# Altium PCB 2013_FDP_PCB.PcbDoc (part 1 of 2) (continued)
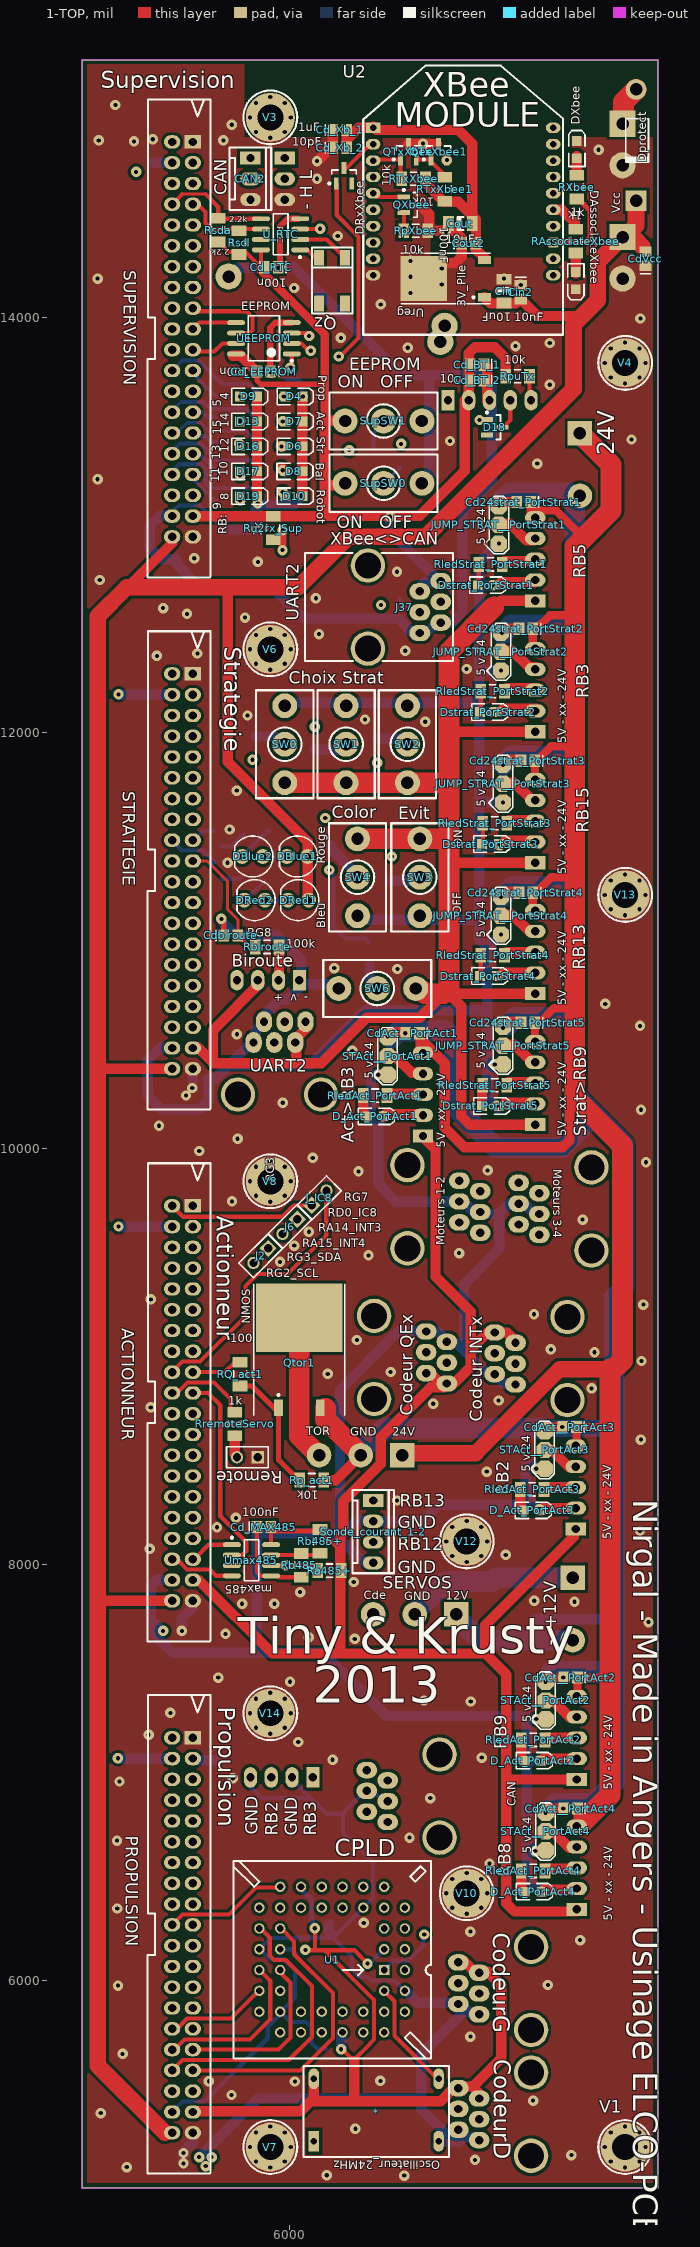
[diagram p0: 1-TOP view]
## Components (designator, comment, footprint, x,y, rotation, side; value= is the part's Value field where it differs from the comment) (continued)
SR1 "servo1" BORNIER3_FEM_COUDE 6800,7760 r180 bottom
St_GND "Goutte Strap_3" "Goutte Strap_3" 7180,7825 r270 bottom
STAct "Goutte Strap_3" "Goutte Strap_3" 5390,7680 r0 bottom
STAct__PortAct1 "Goutte Strap_3" "Goutte Strap_3" 6470,10355 r90 top (schematic designator STAct_)
STAct__PortAct2 "Goutte Strap_3" "Goutte Strap_3" 7230,7255 r90 top (schematic designator STAct_)
STAct__PortAct3 "Goutte Strap_3" "Goutte Strap_3" 7225,8460 r90 top (schematic designator STAct_)
STAct__PortAct4 "Goutte Strap_3" "Goutte Strap_3" 7230,6625 r90 top (schematic designator STAct_)
STProp "Goutte Strap_3" "Goutte Strap_3" 5575,5140 r180 bottom
STRATEGIE "STRATEGIE" HE10/40_MAL_DROIT-FDP-ROBOT 5433.07,12283.46 r270 top locked
STStrat "Goutte Strap_3" "Goutte Strap_3" 5610,10290 r180 bottom
STSup "Goutte Strap_3" "Goutte Strap_3" 5450,12840 r0 bottom
SUPERVISION "SUPERVISION" HE10/40_MAL_DROIT-FDP-ROBOT 5433.07,14842.52 r270 top locked
SupSW0 "25436NAH" "SW_UNIPOL_DROIT - APEM 523X B" 6450,13200 r270 top
SupSW1 "25436NAH" "SW_UNIPOL_DROIT - APEM 523X B" 6450,13500 r270 top
SW0 "25436NAH" "SW_UNIPOL_DROIT - APEM 523X B" 5975,11945 r0 top
SW1 "25436NAH" "SW_UNIPOL_DROIT - APEM 523X B" 6270,11945 r0 top
SW2 "25436NAH" "SW_UNIPOL_DROIT - APEM 523X B" 6565,11945 r0 top
SW3 "25436NAH" "SW_UNIPOL_DROIT - APEM 523X B" 6625,11305 r180 top
SW4 "25436NAH" "SW_UNIPOL_DROIT - APEM 523X B" 6325,11305 r180 top
SW6 "25436NAH" "SW_UNIPOL_DROIT - APEM 523X B" 6420,10770 r90 top
U1 "CPLD EPM7064SLC44-10" PLCC44_SUPPORT 6553.07,6448.15 r270 top
U2 "XBee" MODULE_XBEE 6400,14910 r0 top locked
U_RTC "DS1307" SO8_N 5955,14398.07 r180 top
UEEPROM "25AA1024-I/SM" SOIJ-SM8_N 5875,13898.07 r180 top
Umax485 "MAX485CSA" NSO8_N 5815,8019.41 r0 top
Ureg "1924880" 369A-13 6790,14185 r90 top
V1 "Pad_M3" M3x6mm 7612.6,5196.85 r0 top
V3 "Pad_M3" M3x6mm 5905.51,14960.63 r90 top locked
V4 "Pad_M3" M3x6mm 7612.6,13779.53 r0 top
V6 "Pad_M3" M3x6mm 5905.51,12401.57 r270 top locked
V7 "Pad_M3" M3x6mm 5905.51,5196.85 r0 top
V8 "Pad_M3" M3x6mm 5905.51,9842.52 r270 top locked
V10 "Pad_M3" M3x6mm 6850.39,6417.32 r0 top
V12 "Pad_M3" M3x6mm 6850.39,8110.24 r0 top
V13 "Pad_M3" M3x6mm 7612.6,11220.47 r0 top
V14 "Pad_M3" M3x6mm 5905.51,7283.46 r90 top locked

## Footprints (in the part's own frame and the unit in brackets; to place one, negate y for a bottom-side part, rotate by r counter-clockwise, add the part's x,y. Pads: shape width x height; smd on the part's side, far side on the other; paste and mask are expansions set on the pad)
369A-13 [mm] "D-PAK/TO-252-AA; 3 Leads (1 Cropped); Body 10.3 (inc. leads) x 6.7 mm (LxW max)"
  rect 1x1.6 smd: 1(-2.285,-3.7) 3(2.285,-3.7)
  rect 5.5x5.7 smd: 4(0,3.7)
  silkscreen extent -3.09,-4.4 3.09,6.45
BORNIER2 [mm] "Connector; Header; 2 Position; screw terminal blocks, Pin Spacing=5.08mm"
  rect 3.2x3.2 hole 1.524: 1(0,0)
  round 3.2 hole 1.524: 2(5.08,0)
  silkscreen extent -2.54,-3.81 7.62,3.81
BORNIER2_FEM_COUDE [mm] "Connector; Header; 2 Position; Right Angle; Female; Pin Spacing=5.08mm Green"
  rect 3x3 hole 1.524: 1(0,0)
  round 3 hole 1.524: 2(7.62,0)
  silkscreen extent -3.56,-10.03 11.18,2.03
BORNIER3_FEM_COUDE [mm] "Connector; Header; 3 Position; Right Angle; Female; Pin Spacing=5.08mm Green"
  rect 3x3 hole 1.524: 1(0,0)
  round 3 hole 1.524: 2(5.08,0) 3(10.16,0)
  silkscreen extent -3.56,-8.13 13.72,4.52
C0805_N [mm] "Chip Capacitor, Body 2.0x1.3mm, IPC Medium Density"
  rect 1.3x1.5 smd: 1(-0.85,0) 2(0.85,0)
  silkscreen extent -1.8,-0.65 -1.8,0.65, body extent -0.99,-0.63 1.01,0.63, height 0.8
C1206_N [mm] "Chip Capacitor, Body 3.2x1.6mm, IPC Medium Density"
  rect 1.3x1.8 smd: 1(-1.45,0) 2(1.45,0)
  silkscreen extent -0.4,-0.8 0.4,0.8, body extent -1.57,-0.81 1.63,0.79, height 1.02
D2PAK [mm] "D2-PAK/TO-263-AB; 3 Leads (1 Cropped); Body 15.5 (inc. leads) x 10.5 mm (LxW max)"
  rect 1.05x2 smd: 1(-2.54,-5.5) 3(2.54,-5.5)
  rect 10.55x8.4 smd: 2(0,5.5)
  silkscreen extent -5.58,-6.4 5.58,9.6
DIL14_OSCILLATEUR [mil]
  round 60 on Top Overlay: 0(-25,-66)
  rect 100x50 hole 32: 1(0,0)
  oval 100x50 hole 32: 7(0,-600) 8(300,-600) 14(300,0)
  silkscreen extent -76,-650 362,50
DIO10.46-5.3x2.8 [mil] "Diode, Axial; Body 5.2 x 2.7 mm (LxDia. max), Lead Dia. 0.86 mm (max)"
  round 100 hole 60: 1(-245,-5)
  rect 100x100 hole 60: 2(290,-5)
  silkscreen extent -104,-56 108,55
"Goutte Strap_3" [mm] "3 Pads CMS Goutte Strap"
  oct 2x2 smd: 1(0,0) 2(2.286,0) 3(4.572,0)
  silkscreen extent -1.22,-1.19 5.77,1.75
HDR1X2 [mm]
  rect 1.5x1.5 hole 1.016: 1(0,0)
  round 1.5 hole 1.016: 2(2.54,0)
  silkscreen extent -1.27,-1.27 3.81,1.27, body extent -2.24,-3.51 4.78,3.51, height 10.1
HE10/40_MAL_DROIT-FDP-ROBOT [mm] "Connector; HE10; 40 Position; Male; Right Angle; Pin Spacing=2.54mm"
  rect 1.63x2 hole 1.016: 1(0,2.54)
  oval 1.63x2 hole 1.016: 2(0,0) 3(2.54,2.54) 4(2.54,0) 5(5.08,2.54) 6(5.08,0) 7(7.62,2.54) 8(7.62,0) 9(10.16,2.54) 10(10.16,0) 11(12.7,2.54) 12(12.7,0) 13(15.24,2.54) 14(15.24,0) 15(17.78,2.54) 16(17.78,0) 17(20.32,2.54) 18(20.32,0) 19(22.86,2.54) 20(22.86,0) 21(25.4,2.54) 22(25.4,0) 23(27.94,2.54) 24(27.94,0) 25(30.48,2.54) 26(30.48,0) 27(33.02,2.54) 28(33.02,0) 29(35.56,2.54) 30(35.56,0) 31(38.1,2.54) 32(38.1,0) 33(40.64,2.54) 34(40.64,0) 35(43.18,2.54) 36(43.18,0) 37(45.72,2.54) 38(45.72,0) 39(48.26,2.54) 40(48.26,0)
  silkscreen extent -5.21,-3.02 53.21,4.7, body extent -5.21,-3.12 53.29,4.7, height 10
HE14_3 [mm] "Connector; HE14; 3 Position; Pin Spacing=2.54mm"
  rect 1.6x2.5 hole 1.016: 1(0,0)
  oval 1.6x2.5 hole 1.016: 2(2.54,0) 3(5.08,0)
  silkscreen extent -1.27,-2.54 6.35,2.54
HE14_4 [mm] "Connector; HE14; 4 Position; Pin Spacing=2.54mm"
  rect 1.6x2.5 hole 1.016: 1(0,0)
  oval 1.6x2.5 hole 1.016: 2(2.54,0) 3(5.08,0) 4(7.62,0)
  silkscreen extent -1.27,-2.54 8.89,2.54
HE14_5 [mm] "Connector; HE14; 5 Position; Pin Spacing=2.54mm"
  rect 1.6x2.5 hole 1.016: 1(0,0)
  oval 1.6x2.5 hole 1.016: 2(2.54,0) 3(5.08,0) 4(7.62,0) 5(10.16,0)
  silkscreen extent -1.27,-2.54 11.43,2.54
HE14_6 [mm] "Connector; HE14; 6 Position; Pin Spacing=2.54mm"
  rect 1.6x2.5 hole 1.016: 1(0,0)
  oval 1.6x2.5 hole 1.016: 2(2.54,0) 3(5.08,0) 4(7.62,0) 5(10.16,0)
  silkscreen extent -1.27,-40.82 13.97,2.54
LED_5mm [mm] "LED 5mm; 2 Leads"
  round 1.8 hole 0.813: 1(0,-1.27) 2(0,1.27)
  silkscreen extent -2.5,-2.5 2.5,2.16, body extent -3.02,-2.99 3,2.51, height 12.31
LED_0805 [mm] "SM LED; 2 Flat Leads"
  rect 1.2x1.2 smd: 1(-1.05,0) 2(1.05,0)
  silkscreen extent -2.05,-1 2.35,1, body extent -1.05,-0.64 1.06,0.64, height 1.2
M3x6mm [mm] "Vis M3 X 6mm _TORX_Tête 6mm"
  round 0.8 hole 0.508: 1(-2.5,0) 1(-1.768,-1.768) 1(-1.768,1.768) 1(0,-2.5) 1(0,2.5) 1(1.768,-1.768) 1(1.768,1.768) 1(2.5,0)
  round 6 hole 3.175: 1(0,0)
  silkscreen extent -3.29,-3.28 3.29,3.28, body extent -2.84,-2.85 2.86,2.85, height 1.67
MODULE_XBEE [mil] "XBee Series 2 OEM RF Modules"
  rect 70x50 hole 32: 1(0,0)
  oval 70x50 hole 32: 2(0,-78.74) 3(0,-157.48) 4(0,-236.22) 5(0,-314.96) 6(0,-393.7) 7(0,-472.44) 8(0,-551.18) 9(0,-629.92) 10(0,-708.66) 11(866.14,-708.66) 12(866.14,-629.92) 13(866.14,-551.18) 14(866.14,-472.44) 15(866.14,-393.7) 16(866.14,-314.96) 17(866.14,-236.22) 18(866.14,-157.48) 19(866.14,-78.74) 20(866.14,0)
  silkscreen extent -48,-995 914,299, body extent -43,-992 917,305, height 122
NSO8_N [mm] "SOIC, 8-Leads, Body 4.9x3.9mm, Pitch 1.27mm, IPC Medium Density"
  oval 2.2x0.6 smd: 1(-2.4,1.905) 2(-2.4,0.635) 3(-2.4,-0.635) 4(-2.4,-1.905) 5(2.4,-1.905) 6(2.4,-0.635) 7(2.4,0.635) 8(2.4,1.905)
  silkscreen extent -2.52,-2.5 0.9,2.88, body extent -2,-2.5 2,2.5, height 1.75
Pile_boutton [mil]
  round 125.98 hole 60: 1(1065,-40) 1(1065,40) 2(0,0)
  silkscreen extent -35,-440 1135,440
PLCC44_SUPPORT [mil]
  rect 50x50 hole 32: 1(400,-100)
  round 50 hole 32: 2(300,0) 3(300,-100) 4(200,0) 5(200,-100) 6(100,0) 7(0,-100) 8(100,-100) 9(0,-200) 10(100,-200) 11(0,-300) 12(100,-300) 13(0,-400) 14(100,-400) 15(0,-500) 16(100,-500) 17(0,-600) 18(100,-700) 19(100,-600) 20(200,-700) 21(200,-600) 22(300,-700) 23(300,-600) 24(400,-700) 25(400,-600) 26(500,-700) 27(500,-600) 28(600,-700) 29(700,-600) 30(600,-600) 31(700,-500) 32(600,-500) 33(700,-400) 34(600,-400) 35(700,-300) 36(600,-300) 37(700,-200) 38(600,-200) 39(700,-100) 40(600,0) 41(600,-100) 42(500,0) 43(500,-100) 44(400,0)
  silkscreen extent -125,-825 825,125
Quartz_ABS25 [mil]
  rect 75x50 smd: 1(0,0) 2(220,0) 3(220,125) 4(0,125)
  silkscreen extent -49,-34 268,160
R1206_N [mm] "Chip Resistor, Body 3.2x1.6mm, IPC Medium Density"
  rect 1.3x1.8 smd: 1(-1.45,0) 2(1.45,0)
  silkscreen extent -0.4,-0.8 0.4,0.8, body extent -1.68,-0.87 1.68,0.87, height 0.71
RJ11_6/6 [mm] "Connector; RJ11; 6P/6C; Low Profil; Right Angle; Pin Spacing=2.54mm"
  oval 2.54x2 hole 1.016: 1(0,-5.08) 2(2.54,-3.82) 3(0,-2.54) 4(2.54,-1.27) 5(0,0) 6(2.54,1.27)
  round 4.2 hole 3.175: FIX1(8.89,3.18) FIX2(8.89,-6.98)
  silkscreen extent -1.51,-8.51 16.59,4.7
"RJ11_6/6 - droit" [mm] "Connector; RJ11; 6P/6C; Low Profil; Right Angle; Pin Spacing=2.54mm"
  oval 2.54x2 hole 1.016: 1(0,-5.08) 2(2.54,-3.82) 3(0,-2.54) 4(2.54,-1.27) 5(0,0) 6(2.54,1.27)
  round 4.2 hole 3.175: FIX1(8.89,3.18) FIX2(8.89,-6.98)
  silkscreen extent -1.51,-9.02 16.03,5, body extent -1.52,-9.04 15.83,4.98, height 16.38
SO8_N [mm] "8-Pin Small Outline Integrated Circuit 1.27 mm Pitch, IPC Medium Density"
  oval 2.2x0.6 smd: 1(-2.4,1.905) 2(-2.4,0.635) 3(-2.4,-0.635) 4(-2.4,-1.905) 5(2.4,-1.905) 6(2.4,-0.635) 7(2.4,0.635) 8(2.4,1.905)
  silkscreen extent -2.51,-2.5 0.9,2.92, body extent -2.89,-2.45 2.89,2.46, height 1.75
SOIJ-SM8_N [mm] "SOP, 8-Leads, Body 5.2x5.2mm, Pitch 1.27mm, IPC Medium Density"
  oval 2.2x0.6 smd: 1(-3.4,1.905) 2(-3.4,0.635) 3(-3.4,-0.635) 4(-3.4,-1.905) 5(3.4,-1.905) 6(3.4,-0.635) 7(3.4,0.635) 8(3.4,1.905)
  silkscreen extent -3.52,-2.75 1.9,2.88, body extent -2.73,-2.75 2.73,2.75, height 2.04
SOT23-3N [mm] "SOT23, 3-Leads, Body 2.9x1.3mm, Pitch 0.95mm, Lead Span 2.5mm, IPC Medium Density"
  rect 1.5x0.6 smd: 1(-0.95,0.95) 2(-0.95,-0.95) 3(0.95,0)
  silkscreen extent -1.07,-1.5 0.7,1.92, body extent -1.24,-1.5 1.23,1.5, height 1.1
"SW_UNIPOL_DROIT - APEM 523X B" [mil]
  round 120 / inner round 60 / far side round 120 hole 60: COMMON1(0,0) NC1(0,185.04) NO1(0,-185.04)
  silkscreen extent -138,-260 138,260

## Part data
ACTIONNEUR PROPULSION STRATEGIE SUPERVISION: library part HE10/40, "Connector; HE10; 40 Position; Male"
CAN CAN2: "Header, 3-Pin"
Cd1_CPLD Cd2_CPLD Cd3_CPLD Cd4_CPLD Cdbiroute CdVcc: "Capacitor"
Cd24strat_PortStrat1 Cd24strat_PortStrat2 Cd24strat_PortStrat3 Cd24strat_PortStrat4 Cd24strat_PortStrat5 Cd_BT_1 Cd_BT_2 Cd_EEPROM Cd_MAX485 Cd_RTC Cd_Xb_1 Cd_Xb_2 CdAct__PortAct1 CdAct__PortAct2 CdAct__PortAct3 CdAct__PortAct4: library part Condensateur, "Capacitor"
Cin Cin2 Cout Cout2: library part Capacitor, "Capacitor"
CR2032: "Battery, Pile"
D4 D6 D7 D8 D9 D10 D13 D16 D17 D19 D_Act_PortAct1 D_Act_PortAct2 D_Act_PortAct3 D_Act_PortAct4 DBlue1 DBlue2 DRed1 DRed2 Dstrat_PortStrat1 Dstrat_PortStrat2 Dstrat_PortStrat3 Dstrat_PortStrat4 Dstrat_PortStrat5: "Typical LED"
D5 D18 DRxXbee: "DIODE SCHOTTKY DOUBLE"
DAssociateXbee DXbee: library part LED, "Typical LED"
Dprotect: "1 Amp General Purpose Rectifier"
J2 J6 J_IC8 Remote: "Header, 2-Pin"
J37 J_ACT_COD_INT J_ACT_COD_QEx J_ACT_MOT12 J_ACT_MOT_34 J_U2ST JcodDroite JcodGauche JMotProp: library part RJ11_6/6, "Right Angle, Standard Profile, Offset Latch DECconnect, Flangeless PCB Jack"
J_8V_in J_12V_in JalimBal JalimeBlal24V: library part BORNIER2, "Terminal blocks, 2 pins, pitch=5mm"
J_ACT_AN__PortAct1 J_ACT_AN__PortAct2 J_ACT_AN__PortAct3 J_ACT_AN__PortAct4 J_STRAT_AN__PortStrat1 J_STRAT_AN__PortStrat2 J_STRAT_AN__PortStrat3 J_STRAT_AN__PortStrat4 J_STRAT_AN__PortStrat5: library part BARRETTE5, "Header, 5-Pin"
J_BIROUTE: library part BARRETTE4, "Header, 4-Pin"
J_BT: "Header, 6-Pin"
Qblue Qred QTxXbee QTxXbee1 QXbee: "N-Channel MOSFET"
Qtor1: library part IRF1010S, "HEXFET N-Channel Power MOSFET"
R4 R6 R7 R8 R9 R10 R11 R12 R13 R14 R15 R16 Ra485+ RAssociateXbee Rb485+ Rb485- Rbiroute RcanB1 RcanB2 RcanB3 RcanB4 RledAct_PortAct1 RledAct_PortAct2 RledAct_PortAct3 RledAct_PortAct4 RledStrat_PortStrat1 RledStrat_PortStrat2 RledStrat_PortStrat3 RledStrat_PortStrat4 RledStrat_PortStrat5 Rp_act1 RpuTx RpXbee RQ_act1 RremoteServo RrstCpld Rscl Rsda RsE0 RsE1 RsE2 RsE3 RsE4 RsE6 RsuE0 RsuE1 RTxXbee RTxXbee1 Ru2rx_Sup RXbee: library part Resistor, "Resistor"
S1 SR1: library part BORNIER3, "Terminal blocks, 2 pins, pitch=5mm"
Sonde_courant_1-2 Sonde_courant_PROP: "Header, 4-Pin"
SupSW0 SupSW1 SW0 SW1 SW2 SW3 SW4 SW6: library part "SW SPDT- APEM Série 523x", "Switch unipolaire a levier"
U1: "MAX 7000S 5V In-System Programmable CPLD, 64 Macrocells, 44-Pin PLCC, Speed Grade 10, Commercial Grade"
U_RTC: "64 X 8 Serial Real-Time Clock"
UEEPROM: "1 Mbit SPI Bus Serial EEPROM, 8-Pin SOIC, Industrial Temperature"
Umax485: "Low-Power, Slew-Rate-Limited RS-485/RS-422 Transceiver"
Ureg: library part MC7805ACD2T, "Three-Terminal Positive Voltage Regulator"
V1 V3 V4 V6 V7 V8 V10 V12 V13 V14: library part "Vis M3 X 6mm _TORX_Tête 6mm", "Vis M3 X 6mm _TORX_Tête 6mm"

## Via types
v1: diameter 50, hole 20, 1-TOP to 4-BOT, 235 vias

## Nets (pads, with @x,y where several pads share a name; then routed paths per layer and width w, separated by ;. In a path a pad name is that pad's centre, name@x,y a point inside that pad or via, vN(x,y) a via of type N, cw(c..) or ccw(c..) an arc to the next point about the centre after c; other vN are vias at no path point)
3V3: Cd_Xb_1.2 Cd_Xb_2.2 Cout2.2 Cout.2 RTxXbee1.1 RTxXbee.1 U2.1 Ureg.3 | length 1642.3
  1-TOP w50: Cd_Xb_2.2@6273.46,14815 Cd_Xb_1.2@6273.46,14900 ; 6275,14855 6330,14910 U2.1@6400,14910 ; U2.1@6400,14915 6415,14900 6810,14900 6877.09,14832.91 6877.09,14487.91 ; RTxXbee.1@6652.09,14665 6652.09,14642.91 RTxXbee1.1@6740,14555 ; RTxXbee1.1@6745,14555 6810,14555 6877.09,14487.91 ; Cout.2@6877.09,14450 6877.09,14487.91 ; Cout2.2@6893.46,14355 6893.46,14326.54 Ureg.3@6940,14280 ; Cout2.2@6895,14355 Cout.2@6895,14470
12V: J_12V_in.1 SR1.1 | length 826.8
  4-BOT w100: 6602,7769 6750,7917 6972,7917 6990,7935 J_12V_in.1@7360,7935
24V: Cd24strat_PortStrat1.1 Cd24strat_PortStrat2.1 Cd24strat_PortStrat3.1 Cd24strat_PortStrat4.1 Cd24strat_PortStrat5.1 CdAct__PortAct1.1 CdAct__PortAct2.1 CdAct__PortAct3.1 CdAct__PortAct4.1 J_ACT_AN__PortAct1.5 J_ACT_AN__PortAct2.5 J_ACT_AN__PortAct3.5 J_ACT_AN__PortAct4.5 J_STRAT_AN__PortStrat1.5 J_STRAT_AN__PortStrat2.5 J_STRAT_AN__PortStrat3.5 J_STRAT_AN__PortStrat4.5 J_STRAT_AN__PortStrat5.5 JalimeBlal24V.1 S1.1 | length 11716.1
  1-TOP w40: CdAct__PortAct1.1@6620,10555 CdAct__PortAct1.1@6621.73,10556.73 ; J_ACT_AN__PortAct1.5@6623.46,10471.54 CdAct__PortAct1.1@6623.46,10555 ; Cd24strat_PortStrat1.1@7158.46,13110 7158.46,13046.54 7181.93,13070 7280,13070 7412.5,12937.5 7415,12935 ; J_STRAT_AN__PortStrat4.5@7168.46,11156.54 Cd24strat_PortStrat4.1@7168.46,11230 ; J_STRAT_AN__PortStrat2.5@7168.46,12416.54 Cd24strat_PortStrat2.1@7168.46,12500 ; J_STRAT_AN__PortStrat5.5@7178.46,10526.54 Cd24strat_PortStrat5.1@7178.46,10605 ; J_STRAT_AN__PortStrat3.5@7178.46,11786.54 Cd24strat_PortStrat3.1@7178.46,11865 ; Cd24strat_PortStrat2.1@7180,12495 7250,12565 7370,12565 ; Cd24strat_PortStrat4.1@7185,11235 7255,11305 7370,11305 ; Cd24strat_PortStrat3.1@7185,11865 7255,11935 7370,11935 ; Cd24strat_PortStrat5.1@7200,10605 7270,10675 7365,10675 ; 7360,10670 7365,10675 ; 7370,10675 7365,10675 ; J_ACT_AN__PortAct3.5@7378.46,8588.46 CdAct__PortAct3.1@7378.46,8660 7535,8660 ; J_ACT_AN__PortAct4.5@7383.46,6746.54 CdAct__PortAct4.1@7383.46,6825 7415,6825 ; J_ACT_AN__PortAct2.5@7383.46,7371.54 CdAct__PortAct2.1@7383.46,7455 7540,7455
  1-TOP w50: S1.1@6543,8536 S1.1@6544,8535 ; 6640,10515 6745,10410 6745,10100 6839,10006 7311,10006 7345,10040 7345,10268
  1-TOP w75: 6894,8535 7298,8939
  1-TOP w80: S1.1@6544,8535 6894,8535 ; 7298,8939 7540,8939
  1-TOP w100: JalimeBlal24V.1@7400,13435 7545,13290 7545,13070 7412.5,12937.5 7370,12895 7370,12565 7370,11935 7370,11305 7370,10675 7370,10245 7600,10015 7600,8981 7538,8919 ; J_ACT_AN__PortAct4.5@7415,6765 7540,6890 7540,7455 7540,8939
ACT_5V: ACTIONNEUR.37 Cd_MAX485.2 J_ACT_AN__PortAct1.1 J_ACT_AN__PortAct2.1 J_ACT_AN__PortAct3.1 J_ACT_AN__PortAct4.1 J_ACT_COD_INT.1 J_ACT_COD_INT.2 J_ACT_COD_QEx.1 J_ACT_COD_QEx.2 Ra485+.2 Rb485+.1 Umax485.8 | length 7903.6
  1-TOP w20: Umax485.8@5909.49,8094.41 Cd_MAX485.2@5909.49,8160
  1-TOP w25: ACTIONNEUR.37@5533.07,7924.41 ACTIONNEUR.37@5535.59,7924.41 ; Cd_MAX485.2@5909.49,8160 6150,8160 6251.5,8058.5
  1-TOP w50: ACTIONNEUR.37@5530,7923 5562,7923 5914,7571 6939,7571 7040,7470 7040,6370 7080,6330 J_ACT_AN__PortAct4.1@7375,6330 ; 6242,7582 6242,8136 6257,8151 6257,8304 6437.25,8484.25 6437,8484.25 6437,8612 6677.5,8852.5 6742.5,8852.5 J_ACT_COD_QEx.2@6690,8905 ; J_ACT_AN__PortAct1.1@6640,10060 6636,10060 6700,9996 6700,9386 6870,9216 6870,9035 ; J_ACT_COD_QEx.1@6755,8870 6790,8870 6870,8950 6870,9035 ; 6940,7581 6940,7707 7365,8132 J_ACT_AN__PortAct3.1@7365,8175 ; 7055,6965 J_ACT_AN__PortAct2.1@7380,6965 ; J_ACT_COD_INT.2@7080,9080 7045,9115 6950,9115 6870,9035
ACT_AN10: ACTIONNEUR.32
ACT_AN11: ACTIONNEUR.31
ACT_AN12: ACTIONNEUR.30 Sonde_courant_1-2.3 | length 1047
  3-SIGNAL w20: ACTIONNEUR.30@5433.07,8324.41 5482.48,8275 6115,8275 6283,8107 Sonde_courant_1-2.3@6390,8107
ACT_AN13: ACTIONNEUR.29 Sonde_courant_1-2.1 | length 853.9
  3-SIGNAL w20: ACTIONNEUR.29@5533.07,8324.41 Sonde_courant_1-2.1@6387,8324.41
ACT_AN14: ACTIONNEUR.28
ACT_AN15: ACTIONNEUR.27
ACT_IN_OUT1: ACTIONNEUR.25 J_ACT_AN__PortAct1.3 RledAct_PortAct1.1 | length 4106.3
  1-TOP w50: RledAct_PortAct1.1@6477.09,10265 J_ACT_AN__PortAct1.3@6620,10265
  3-SIGNAL w25: ACTIONNEUR.25@5533.07,8524.41 5594.59,8524.41 5687,8432 6792,8432 7561,9201 7561,9609 7149,10021 6899,10021 J_ACT_AN__PortAct1.3@6660,10260
  other v1: 6470,10255
ACT_IN_OUT2: ACTIONNEUR.33 J_ACT_AN__PortAct2.3 RledAct_PortAct2.1 | length 2265.5
  1-TOP w50: RledAct_PortAct2.1@7227.09,7155 7237.09,7165 J_ACT_AN__PortAct2.3@7380,7165
  3-SIGNAL w20: ACTIONNEUR.33@5533.07,8124.41 5715.59,8124.41 6445,7395 6957,7395 7197,7155 v1(7230,7155) v1@7240,7155
ACT_IN_OUT3: ACTIONNEUR.26 J_ACT_AN__PortAct3.3 RledAct_PortAct3.1 | length 2003.3
  1-TOP w50: RledAct_PortAct3.1@7222.09,8360 7232.09,8370 J_ACT_AN__PortAct3.3@7375,8370
  3-SIGNAL w20: ACTIONNEUR.26@5445,8515 5485,8475 5572,8475 5668,8379 7192,8379 7206,8365 7215,8365 v1(7220,8360) v1@7225,8355
ACT_IN_OUT4: ACTIONNEUR.34 J_ACT_AN__PortAct4.3 RledAct_PortAct4.1 | length 2612.7
  1-TOP w50: RledAct_PortAct4.1@7227.09,6525 7237.09,6535 J_ACT_AN__PortAct4.3@7380,6535
  3-SIGNAL w20: ACTIONNEUR.34@5435,8120 5480,8075 5520,8075 5570,8075 7120,6525 v1(7225,6525) v1@7230,6525
ACT_INT1: ACTIONNEUR.21 J_ACT_COD_INT.3 | length 1703.7
  3-SIGNAL w20: ACTIONNEUR.21@5533.07,8724.41 6162.41,8724.41 6633,9195 6780,9195 6947.5,9027.5 J_ACT_COD_INT.3@6972.5,9027.5
ACT_INT2: ACTIONNEUR.22 J_ACT_COD_INT.4 | length 2172.9
  3-SIGNAL w20: ACTIONNEUR.22@5433.07,8724.41 5483.66,8775 6145,8775 6608,9238 7022,9238 7165,9095 7165,9025 J_ACT_COD_INT.4@7095,8955
ACT_PWM1: ACTIONNEUR.10 J_ACT_MOT12.5 | length 1824.6
  3-SIGNAL w20: ACTIONNEUR.10@5433.07,9324.41 5462.03,9324.41 5460,9326.43 5460,9335 5500,9375 5963,9375 6402,9814 6664,9814 6770,9920 6850,9920 6915,9855 J_ACT_MOT12.5@6915,9795
ACT_PWM2: ACTIONNEUR.12 J_ACT_MOT12.2 | length 1585.3
  3-SIGNAL w20: ACTIONNEUR.12@5433.07,9224.41 5483.66,9275 5996,9275 6401,9680 6779.61,9680 J_ACT_MOT12.2@6815,9644.61
ACT_PWM3: ACTIONNEUR.14 J_ACT_MOT_34.5 | length 1857.5
  3-SIGNAL w20: ACTIONNEUR.14@5433.07,9124.41 5483.66,9175 6031,9175 6271,9415 6869,9415 J_ACT_MOT_34.5@7082,9628
ACT_PWM4: ACTIONNEUR.16 J_ACT_MOT_34.2 | length 2328.5
  3-SIGNAL w20: ACTIONNEUR.16@5433.07,9024.41 5483.66,9075 6068,9075 6334,9341 7076,9341 7283,9548 7283,9722 J_ACT_MOT_34.2@7221,9784
ACT_QEA: ACTIONNEUR.24 J_ACT_COD_QEx.3 | length 1691.2
  3-SIGNAL w20: ACTIONNEUR.24@5433.07,8624.41 5482.48,8575 5595,8575 5656,8636 6631,8636 6840,8845 6840,8905 J_ACT_COD_QEx.3@6775,8970
ACT_QEB: ACTIONNEUR.23 J_ACT_COD_QEx.4 | length 1332.4
  3-SIGNAL w20: ACTIONNEUR.23@5533.07,8624.41 5586.66,8678 6460,8678 6562,8780 6562,8937 J_ACT_COD_QEx.4@6620,8995
ACT_RA14_INT3: ACTIONNEUR.6 J6.1 | length 654.5
  3-SIGNAL w20: ACTIONNEUR.6@5433.07,9524.41 5482.16,9573.5 5647.5,9573.5 5735,9661 J6.1@6031,9661
ACT_RA15_INT4: ACTIONNEUR.5 J6.2 | length 473.5
  3-SIGNAL w20: ACTIONNEUR.5@5533.07,9524.41 5681.41,9524.41 5747,9590 5961,9590 J6.2@5970,9599 ; J6.2@5945,9588 J6.2@5949,9584
ACT_RD0_IC8: ACTIONNEUR.2 J_IC8.1 | length 698
  1-TOP w20: ACTIONNEUR.2@5433.07,9724.41 5485.48,9672 5964,9672 6018,9726 J_IC8.1@6087,9726
ACT_RG2_SCL: ACTIONNEUR.7 J2.2 | length 312.5
  3-SIGNAL w25: ACTIONNEUR.7@5533.07,9424.41 5816.41,9424.41 J2.2@5837,9445
ACT_RG3_SDA: ACTIONNEUR.8 J2.1 | length 501.9
  3-SIGNAL w20: ACTIONNEUR.8@5433.07,9424.41 5483.66,9475 5743,9475 5790,9522 5879,9522 J2.1@5890,9511
ACT_RG6: ACTIONNEUR.17 RQ_act1.2 | length 223.5
  1-TOP w20: ACTIONNEUR.17@5533.07,8924.41 5686.41,8924.41 RQ_act1.2@5736,8974
ACT_RG7: ACTIONNEUR.18 J_IC8.2 | length 1316.3
  1-TOP w20: ACTIONNEUR.18@5433.07,8924.41 5483.66,8975 5568,8975 5786,9193 5786,9338 5844,9396 5989,9396 6175,9582 J_IC8.2@6175,9799
ACT_RG8: ACTIONNEUR.19 Umax485.2 Umax485.3 | length 1037.9
  1-TOP w20: ACTIONNEUR.19@5533.07,8824.41 5604.41,8824.41 5605,8825 5665,8765 5665,8231 5790,8106 5790,8064.41 5770,8044.41 Umax485.2@5720.51,8044.41 5720,8044.41 5720.51,8043.9 Umax485.3@5720.51,7994.41
ACT_RG9: ACTIONNEUR.20 RremoteServo.1 | length 396.6
  1-TOP w20: ACTIONNEUR.20@5433.07,8824.41 5456.37,8824.41 5506.96,8875 5635,8875 5714,8796 RremoteServo.1@5714,8734
ACT_SENS1: ACTIONNEUR.9 J_ACT_MOT12.6 | length 1497.6
  3-SIGNAL w20: ACTIONNEUR.9@5533.07,9324.41 5978.41,9324.41 6429,9775 6715,9775 6785,9845 J_ACT_MOT12.6@6815,9845
ACT_SENS2: ACTIONNEUR.11 J_ACT_MOT12.1 | length 1584.3
  3-SIGNAL w20: ACTIONNEUR.11@5533.07,9224.41 6008.41,9224.41 6415,9631 6692,9631 6751,9572 6892,9572 J_ACT_MOT12.1@6915,9595
ACT_SENS3: ACTIONNEUR.13 J_ACT_MOT_34.6 | length 1838
  3-SIGNAL w20: ACTIONNEUR.13@5533.07,9124.41 6047.41,9124.41 6302,9379 6987,9379 J_ACT_MOT_34.6@7184,9576
ACT_SENS4: ACTIONNEUR.15 J_ACT_MOT_34.1 | length 2524
  3-SIGNAL w20: ACTIONNEUR.15@5533.07,9024.41 6085.41,9024.41 6364,9303 7125,9303 7342,9520 7342,9754 7241,9855 J_ACT_MOT_34.1@7108,9855
ACT_U2RX: ACTIONNEUR.35 Umax485.1 | length 237.2
  1-TOP w20: ACTIONNEUR.35@5545,8030 5609.41,8094.41 Umax485.1@5720.51,8094.41 ; Umax485.1@5690,8094.41 Umax485.1@5720.51,8094.41 ; Umax485.1@5725,8094.41 Umax485.1@5720.51,8094.41
ACT_U2TX: ACTIONNEUR.36 Umax485.4 | length 374.8
  1-TOP w20: ACTIONNEUR.36@5433.07,8024.41 5456.37,8024.41 5505.46,7975.32 5564.09,7975.32 5564.41,7975 5615,7975 5645,7945 Umax485.4@5730,7945 ; Umax485.4@5680,7944.41 Umax485.4@5720.51,7944.41 Umax485.4@5725,7944.41
CAN_H: ACTIONNEUR.3 CAN2.2 CAN.2 PROPULSION.3 RcanB1.2 RcanB2.2 STRATEGIE.3 SUPERVISION.3 | length 10081.6
  3-SIGNAL w20: 5260,7115 5483.43,7115 PROPULSION.3@5533.07,7065.35 ; v1(5260,14698.07) 5264.64,14693.43 5483.98,14693.43 SUPERVISION.3@5533.07,14742.52 5632.48,14742.52 5710,14665 CAN.2@5990,14665
  3-SIGNAL w50: 5260,7115 5260,12470 ; v1(5260,14698.07) 5260,12470 ; 5275,9780 5275,9785 5285,9795 5600,9795 5620,9775 5620,9670 5574.41,9624.41 ACTIONNEUR.3@5533.07,9624.41 ; STRATEGIE.3@5533.07,12183.46 5598.46,12183.46 5660,12245 5660,12405 5595,12470 5260,12470
  4-BOT w50: PROPULSION.3@5535,7065 5542.09,7057.91 RcanB1.2@5640,7057.91
CAN_L: ACTIONNEUR.4 CAN2.1 CAN.1 PROPULSION.4 RcanB3.1 RcanB4.1 STRATEGIE.4 SUPERVISION.4 | length 9398.3
  3-SIGNAL w20: SUPERVISION.4@5433.07,14742.52 5456.37,14742.52 5505.46,14791.61 5648.39,14791.61 5680,14760 CAN.1@6000,14760
  3-SIGNAL w50: v1(5172.28,7067.2) 5172.28,14722.28 5225,14775 5400.59,14775 SUPERVISION.4@5433.07,14742.52
  4-BOT w50: v1@5175.35,7065.35 PROPULSION.4@5433.07,7065.35 ; v1@5180,12185 5181.54,12183.46 STRATEGIE.4@5433.07,12183.46 ; v1@5185,9625 5185.59,9624.41 ACTIONNEUR.4@5433.07,9624.41 ; RcanB4.1@5345,14742.91 SUPERVISION.4@5432.09,14742.91
  other v1: 5175,9625 5175,12185
CDE_SERVO: Ra485+.1 SR1.3 Umax485.6 | length 723
  1-TOP w25: Umax485.6@5909.49,7994.41 6113.59,7994.41 Ra485+.1@6124,7984
  3-SIGNAL w25: v1(5980,7995) 6120,7995 SR1.3@6377.5,7737.5
CPLD_CLOCK: *.8 U1.43 | length 536.6
  1-TOP w20: U1.43@6453.07,5948.15 6503.07,5898.15 6503.07,5731.93 *.8@6715,5520
CPLD_COM_1: PROPULSION.18 U1.19 | length 606.3
  3-SIGNAL w20: PROPULSION.18@5433.07,6365.35 5483.98,6314.44 5672.44,6314.44 5768,6410 5891.22,6410 U1.19@5953.07,6348.15
CPLD_COM_2: PROPULSION.19 U1.18 | length 354.6
  3-SIGNAL w20: PROPULSION.19@5533.07,6265.35 5579.65,6265.35 5580,6265 5740,6265 5823.15,6348.15 U1.18@5853.07,6348.15
CPLD_COM_3: PROPULSION.20 U1.17 | length 618.6
  1-TOP w20: PROPULSION.20@5456.37,6265.35 PROPULSION.20@5433.07,6265.35 5482.72,6315 5707,6315 5837,6445 U1.17@5954,6445
CPLD_OUT_0: PROPULSION.34 U1.20 | length 1398.4
  1-TOP w20: PROPULSION.34@5433.07,5565.35 5483,5615.28 5994.28,5615.28 6106,5727 6106,5971 5980,6097 5924,6097 5903,6118 5903,6205 U1.20@5858,6250
CPLD_OUT_1: PROPULSION.33 U1.21 | length 1367.1
  1-TOP w20: PROPULSION.33@5533.07,5565.35 6051.35,5565.35 6207,5721 6207,5937 6020,6124 6020,6186 U1.21@5959,6247
CPLD_OUT_2: PROPULSION.32 U1.24 | length 790.1
  1-TOP w20: PROPULSION.32@5433.07,5665.35 5444.35,5665.35 5493.44,5714.44 5808.44,5714.44 5905,5811 5905,5998.15 ; U1.24@5853.07,6048.15 5903.07,5998.15
CPLD_OUT_3: PROPULSION.31 U1.25 | length 839.7
  1-TOP w20: PROPULSION.31@5533.07,5665.35 5945.35,5665.35 6003.07,5723.07 6003.07,5986.93 5953.07,6036.93 U1.25@5953.07,6048.15
CPLD_OUT_4: PROPULSION.30 U1.26 | length 523.7
  1-TOP w20: U1.26@5857,5950 5851,5950 5716,5815 5506,5815 PROPULSION.30@5456.35,5765.35 ; PROPULSION.30@5456.35,5765.35 PROPULSION.30@5433.07,5765.35 PROPULSION.30@5456.37,5765.35
CPLD_OUT_5: PROPULSION.29 U1.27 | length 756.2
  3-SIGNAL w20: PROPULSION.29@5533.07,5765.35 5604.43,5694 5978,5694 6002,5718 6002,5905 U1.27@5959,5948
CPLD_OUT_6: PROPULSION.28 U1.28 | length 468.3
  3-SIGNAL w20: PROPULSION.28@5433.07,5865.35 5482.72,5915 5784,5915 5850.85,5848.15 U1.28@5853.07,5848.15
CPLD_OUT_7: PROPULSION.27 U1.29 | length 465.7
  3-SIGNAL w20: PROPULSION.27@5533.07,5865.35 5648.43,5750 U1.29@5951,5750
CPLD_RESET: PROPULSION.17 RrstCpld.2 U1.1 | length 1676.2
  3-SIGNAL w20: PROPULSION.17@5539.21,6359.21 5685,6505 6536.22,6505 6648.07,6393.15 v1@6648.07,6220
  4-BOT w20: U1.1@6453.07,6048.15 6498.07,6093.15 6571.15,6093.15 6641,6163 RrstCpld.2@6641,6215
  other v1: 6646,6219
GND: ACTIONNEUR.1 ACTIONNEUR.39 CAN2.3 CAN.3 Cd_Xb_1.1 Cd_Xb_2.1 CdVcc.1 Cin2.1 Cin.1 Cout2.1 Cout.1 DAssociateXbee.2 DXbee.2 J_8V_in.2 JalimBal.2 PROPULSION.1 PROPULSION.39 Qblue.2 Qred.2 QTxXbee1.3 QTxXbee.3 QXbee.3 RcanB1.1 RcanB2.1 RcanB3.2 RcanB4.2 Remote.1 RpXbee.2 St_GND.1 STAct.2 STProp.2 STRATEGIE.1 STRATEGIE.39 STStrat.2 STSup.2 SUPERVISION.1 SUPERVISION.39 U2.10 Ureg.4 V1.1 V3.1 V4.1 V6.1 V7.1 V8.1 V10.1 V12.1 V13.1 V14.1 | length 1191.2
  1-TOP w50: v1@6135,14755 6206.54,14826.54 Cd_Xb_1.1@6206.54,14900 ; QTxXbee.3@6570,14832.4 QTxXbee1.3@6707.4,14832.4 ; QXbee.3@6635,14530 6670,14495 6670,14415 6790,14415 6826.54,14378.46 Cout2.1@6826.54,14355 6826.54,14291.54 6795,14260 Ureg.4@6715,14260
  4-BOT w50: STAct.2@5480,7675 v1(5480,7679.41) ; STAct.2@5480,7680 5480,7740 5533.07,7793.07 ACTIONNEUR.39@5533.07,7824.41 ; STProp.2@5485,5150 5485,5170 5533.07,5218.07 PROPULSION.39@5533.07,5265.35 ; STStrat.2@5533.07,10323.07 STRATEGIE.39@5533.07,10383.46
  other v1: 6550,5059 6177,5061 5215,5100 5488.07,5118.15 6890,5135 7354,5158 5488.07,5168.15 6315,5285 5090,5360 7170,5420 5719,5447 6024,5512 5610,5513 6435,5515 5195,5645 6868.07,5728.15 5173,5973 7241,5976 7396,6192 6868.07,6233.15 6355,6275 5169,6344 6960,6560 5168,6671 6575,6685 6675,6875 5180,6955 5725,6970 6205,7060 6923,7070 6040,7145 5320,7180 5425,7285 6870,7340 6645,7345 6000,7435 5655,7455 6312,7641 6090,7650 5690,7665 7725,7722 5770,7810 5925,7810 7369,7820 7175,7825 6049,7866 6307,7915 7038,8045 5325,8074.41 7684,8160 5649,8178 5740,8223 6515,8307 6947,8446 7688,8600 5330,8755 6689,8772 7004,8788 7451,8846 6182,8916 6484,8925 7691,8978 7465,9020 7255,9034 6322,9079 7174,9203 7700,9249 5330,9274.41 5952,9455 6378,9486 6814,9497 6021,9533 6091,9600 7408,9658 5721,9746 6330,9890 6951,9895 7713,9934 6110,9955 5564,9988 5748,10047 5370,10110 7689,10187 5965,10220 5500,10255 5530,10291.3 6300,10470 5745,10550 7684,10590 7517,10696 6517,10864 6213,10868 5700,11375 5710,11535 5744,11722 6651,12053 6361,12064 5796,12083 6850,12307 5360,12370 5555,12381.3 6555,12395 6140,12475 5784,12554 5505,12572 5390,12600 6125,12647 5085,12735 6515,12775 5846,12822 5540,12840 5075,13220 7190,13295 6770,13404 7643,13411 7250,13674 6567,13852 7085,13860 7250,13875 6245,13900 7686,13993 6437,14061 6580,14115 6020,14140 7110,14155 6730,14156 5075,14185 7030,14185 6580,14194 6730,14234 6580,14270 6230,14390 6750,14410 6130,14665 6130,14750 7485,14805 6640,14835 5250,14845 5080,14850 5680,14850 5340,14855 5720,14925 5160,15020
GND_12: J_12V_in.2 SR1.2 St_GND.3 | length 588.1
  4-BOT w100: 6813.5,7735.5 6914,7635 J_12V_in.2@7360,7635